# Altium PCB rev5.PcbDoc (part 3 of 4)
Units mil, origin at the board's own origin, x right, y up, seen from the top; angles counter-clockwise.
Board outline 1000 x 900 mil, 2 copper layers (Top Layer, Bottom Layer); 162 components, 16 nets, 1728 pads, 0 vias.
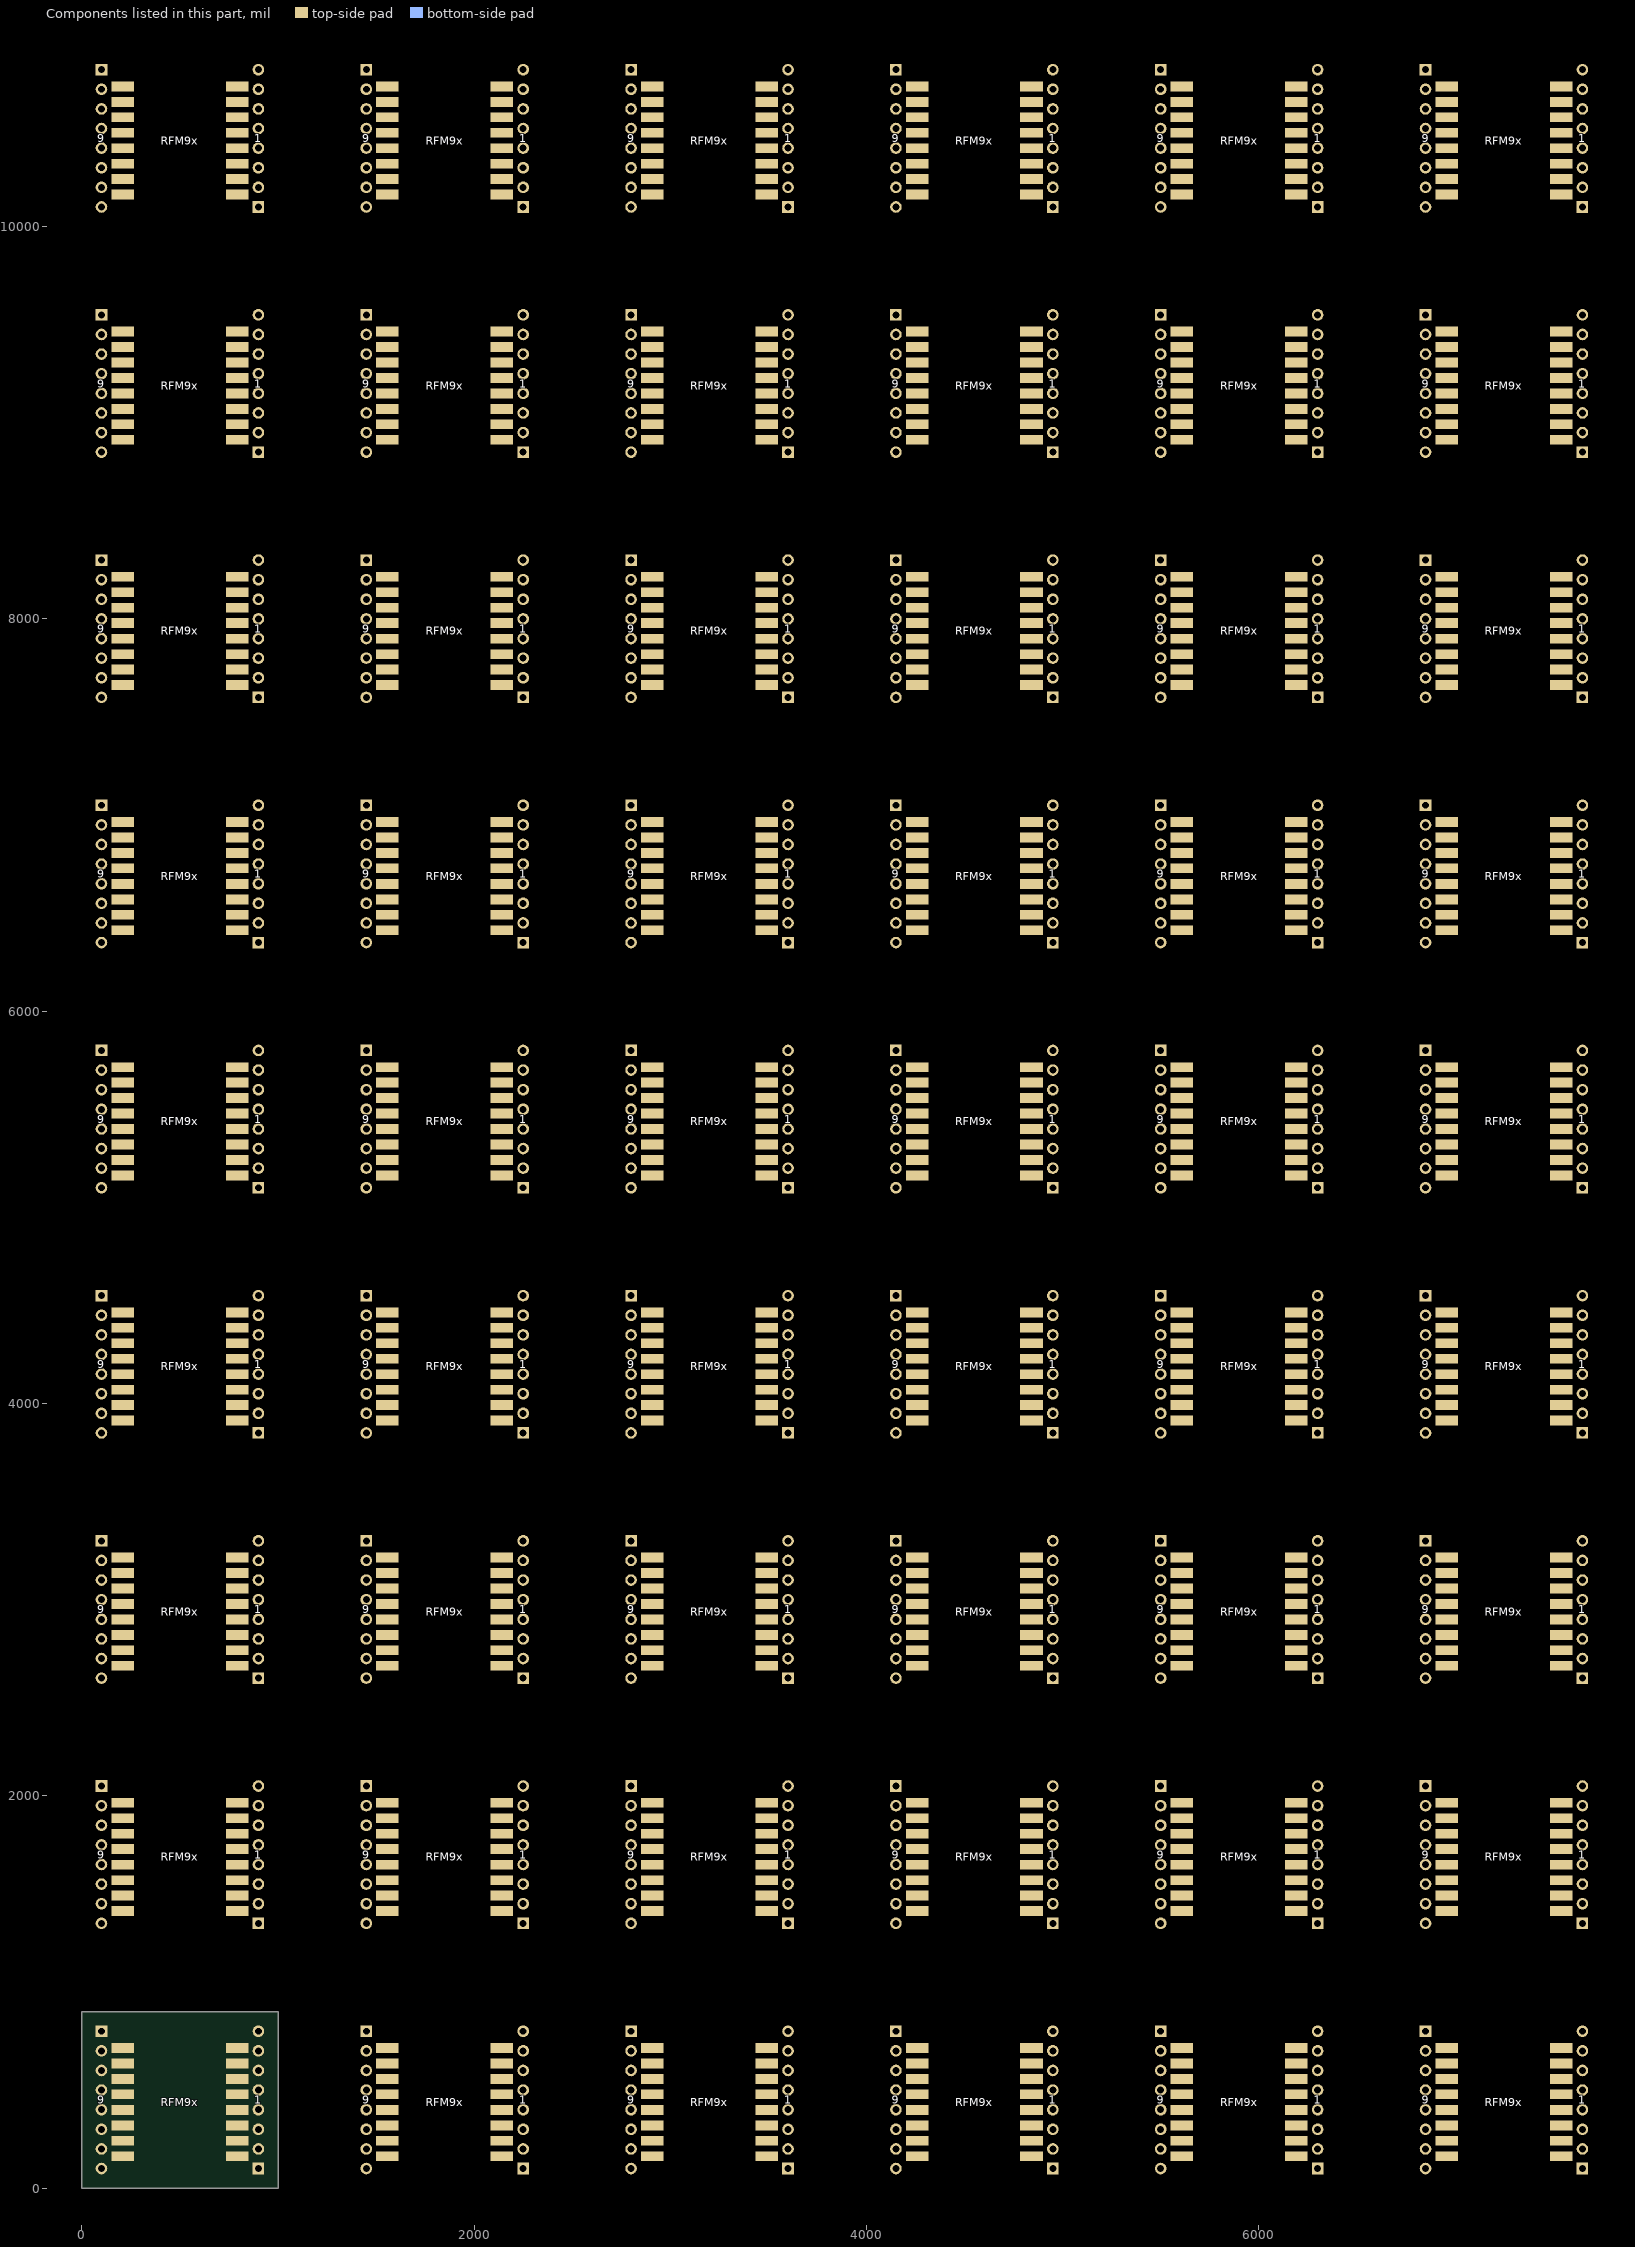
[diagram p3: the components of this part, seen from the top]

## Nets (pads, with @x,y where several pads share a name; then routed paths per layer and width w, separated by ;. In a path a pad name is that pad's centre, name@x,y a point inside that pad or via, vN(x,y) a via of type N, cw(c..) or ccw(c..) an arc to the next point about the centre after c; other vN are vias at no path point) (continued)
copper on no net: | length 111741.4
  Top Layer w20: 100,1350 163,1413 208,1413 ; 100,1450 142,1492 208,1492 ; 100,1550 144,1550 164,1570 208,1570 ; 100,1650 153,1650 154,1649 208,1649 ; 100,1750 121.63,1728.37 208,1728.37 ; 100,1850 142.89,1807.11 208,1807.11 ; 100,1950 120,1930 120,1909 176,1909 176,1885.85 208,1885.85 ; 100,2050 158,2050 208,2000 208,1964.59 ; 100,2600 163,2663 208,2663 ; 100,2700 142,2742 208,2742 ; 100,2800 144,2800 164,2820 208,2820 ; 100,2900 153,2900 154,2899 208,2899 ; 100,3000 121.63,2978.37 208,2978.37 ; 100,3100 142.89,3057.11 208,3057.11 ; 100,3200 120,3180 120,3159 176,3159 176,3135.85 208,3135.85 ; 100,3300 158,3300 208,3250 208,3214.59 ; 100,3850 163,3913 208,3913 ; 100,3950 142,3992 208,3992 ; 100,4050 144,4050 164,4070 208,4070 ; 100,4150 153,4150 154,4149 208,4149 ; 100,4250 121.63,4228.37 208,4228.37 ; 100,4350 142.89,4307.11 208,4307.11 ; 100,4450 120,4430 120,4409 176,4409 176,4385.85 208,4385.85 ; 100,4550 158,4550 208,4500 208,4464.59 ; 100,5100 163,5163 208,5163 ; 100,5200 142,5242 208,5242 ; 100,5300 144,5300 164,5320 208,5320 ; 100,5400 153,5400 154,5399 208,5399 ; 100,5500 121.63,5478.37 208,5478.37 ; 100,5600 142.89,5557.11 208,5557.11 ; 100,5700 120,5680 120,5659 176,5659 176,5635.85 208,5635.85 ; 100,5800 158,5800 208,5750 208,5714.59 ; 100,6350 163,6413 208,6413 ; 100,6450 142,6492 208,6492 ; 100,6550 144,6550 164,6570 208,6570 ; 100,6650 153,6650 154,6649 208,6649 ; 100,6750 121.63,6728.37 208,6728.37 ; 100,6850 142.89,6807.11 208,6807.11 ; 100,6950 120,6930 120,6909 176,6909 176,6885.85 208,6885.85 ; 100,7050 158,7050 208,7000 208,6964.59 ; 100,7600 163,7663 208,7663 ; 100,7700 142,7742 208,7742 ; 100,7800 144,7800 164,7820 208,7820 ; 100,7900 153,7900 154,7899 208,7899 ; 100,8000 121.63,7978.37 208,7978.37 ; 100,8100 142.89,8057.11 208,8057.11 ; 100,8200 120,8180 120,8159 176,8159 176,8135.85 208,8135.85 ; 100,8300 158,8300 208,8250 208,8214.59 ; 100,8850 163,8913 208,8913 ; 100,8950 142,8992 208,8992 ; 100,9050 144,9050 164,9070 208,9070 ; 100,9150 153,9150 154,9149 208,9149 ; 100,9250 121.63,9228.37 208,9228.37 ; 100,9350 142.89,9307.11 208,9307.11 ; 100,9450 120,9430 120,9409 176,9409 176,9385.85 208,9385.85 ; 100,9550 158,9550 208,9500 208,9464.59 ; 100,10100 163,10163 208,10163 ; 100,10200 142,10242 208,10242 ; 100,10300 144,10300 164,10320 208,10320 ; 100,10400 153,10400 154,10399 208,10399 ; 100,10500 121.63,10478.37 208,10478.37 ; 100,10600 142.89,10557.11 208,10557.11 ; 100,10700 120,10680 120,10659 176,10659 176,10635.85 208,10635.85 ; 100,10800 158,10800 208,10750 208,10714.59 ; 791.34,1413 814,1413 877,1350 900,1350 ; 791.34,1492 858,1492 900,1450 ; 791.34,1570 880,1570 900,1550 ; 791.34,1649 899,1649 900,1650 ; 791.34,1728.37 878.37,1728.37 900,1750 ; 791.34,1807.11 857.11,1807.11 900,1850 ; 791.34,1885.85 840,1885.85 840,1909 879,1909 879,1929 900,1950 ; 791.34,1964.59 791,1964.59 791,2000 841,2050 900,2050 ; 791.34,2663 814,2663 877,2600 900,2600 ; 791.34,2742 858,2742 900,2700 ; 791.34,2820 880,2820 900,2800 ; 791.34,2899 899,2899 900,2900 ; 791.34,2978.37 878.37,2978.37 900,3000 ; 791.34,3057.11 857.11,3057.11 900,3100 ; 791.34,3135.85 840,3135.85 840,3159 879,3159 879,3179 900,3200 ; 791.34,3214.59 791,3214.59 791,3250 841,3300 900,3300 ; 791.34,3913 814,3913 877,3850 900,3850 ; 791.34,3992 858,3992 900,3950 ; 791.34,4070 880,4070 900,4050 ; 791.34,4149 899,4149 900,4150 ; 791.34,4228.37 878.37,4228.37 900,4250 ; 791.34,4307.11 857.11,4307.11 900,4350 ; 791.34,4385.85 840,4385.85 840,4409 879,4409 879,4429 900,4450 ; 791.34,4464.59 791,4464.59 791,4500 841,4550 900,4550 ; 791.34,5163 814,5163 877,5100 900,5100 ; 791.34,5242 858,5242 900,5200 ; 791.34,5320 880,5320 900,5300 ; 791.34,5399 899,5399 900,5400 ; 791.34,5478.37 878.37,5478.37 900,5500 ; 791.34,5557.11 857.11,5557.11 900,5600 ; 791.34,5635.85 840,5635.85 840,5659 879,5659 879,5679 900,5700 ; 791.34,5714.59 791,5714.59 791,5750 841,5800 900,5800 ; 791.34,6413 814,6413 877,6350 900,6350 ; 791.34,6492 858,6492 900,6450 ; 791.34,6570 880,6570 900,6550 ; 791.34,6649 899,6649 900,6650 ; 791.34,6728.37 878.37,6728.37 900,6750 ; 791.34,6807.11 857.11,6807.11 900,6850 ; 791.34,6885.85 840,6885.85 840,6909 879,6909 879,6929 900,6950 ; 791.34,6964.59 791,6964.59 791,7000 841,7050 900,7050 ; 791.34,7663 814,7663 877,7600 900,7600 ; 791.34,7742 858,7742 900,7700 ; 791.34,7820 880,7820 900,7800 ; 791.34,7899 899,7899 900,7900 ; 791.34,7978.37 878.37,7978.37 900,8000 ; 791.34,8057.11 857.11,8057.11 900,8100 ; 791.34,8135.85 840,8135.85 840,8159 879,8159 879,8179 900,8200 ; 791.34,8214.59 791,8214.59 791,8250 841,8300 900,8300 ; 791.34,8913 814,8913 877,8850 900,8850 ; 791.34,8992 858,8992 900,8950 ; 791.34,9070 880,9070 900,9050 ; 791.34,9149 899,9149 900,9150 ; 791.34,9228.37 878.37,9228.37 900,9250 ; 791.34,9307.11 857.11,9307.11 900,9350 ; 791.34,9385.85 840,9385.85 840,9409 879,9409 879,9429 900,9450 ; 791.34,9464.59 791,9464.59 791,9500 841,9550 900,9550 ; 791.34,10163 814,10163 877,10100 900,10100 ; 791.34,10242 858,10242 900,10200 ; 791.34,10320 880,10320 900,10300 ; 791.34,10399 899,10399 900,10400 ; 791.34,10478.37 878.37,10478.37 900,10500 ; 791.34,10557.11 857.11,10557.11 900,10600 ; 791.34,10635.85 840,10635.85 840,10659 879,10659 879,10679 900,10700 ; 791.34,10714.59 791,10714.59 791,10750 841,10800 900,10800 ; 1450,100 1513,163 1558,163 ; 1450,200 1492,242 1558,242 ; 1450,300 1494,300 1514,320 1558,320 ; 1450,400 1503,400 1504,399 1558,399 ; 1450,500 1471.63,478.37 1558,478.37 ; 1450,600 1492.89,557.11 1558,557.11 ; 1450,700 1470,680 1470,659 1526,659 1526,635.85 1558,635.85 ; 1450,800 1508,800 1558,750 1558,714.59 ; 1450,1350 1513,1413 1558,1413 ; 1450,1450 1492,1492 1558,1492 ; 1450,1550 1494,1550 1514,1570 1558,1570 ; 1450,1650 1503,1650 1504,1649 1558,1649 ; 1450,1750 1471.63,1728.37 1558,1728.37 ; 1450,1850 1492.89,1807.11 1558,1807.11 ; 1450,1950 1470,1930 1470,1909 1526,1909 1526,1885.85 1558,1885.85 ; 1450,2050 1508,2050 1558,2000 1558,1964.59 ; 1450,2600 1513,2663 1558,2663 ; 1450,2700 1492,2742 1558,2742 ; 1450,2800 1494,2800 1514,2820 1558,2820 ; 1450,2900 1503,2900 1504,2899 1558,2899 ; 1450,3000 1471.63,2978.37 1558,2978.37 ; 1450,3100 1492.89,3057.11 1558,3057.11 ; 1450,3200 1470,3180 1470,3159 1526,3159 1526,3135.85 1558,3135.85 ; 1450,3300 1508,3300 1558,3250 1558,3214.59 ; 1450,3850 1513,3913 1558,3913 ; 1450,3950 1492,3992 1558,3992 ; 1450,4050 1494,4050 1514,4070 1558,4070 ; 1450,4150 1503,4150 1504,4149 1558,4149 ; 1450,4250 1471.63,4228.37 1558,4228.37 ; 1450,4350 1492.89,4307.11 1558,4307.11 ; 1450,4450 1470,4430 1470,4409 1526,4409 1526,4385.85 1558,4385.85 ; 1450,4550 1508,4550 1558,4500 1558,4464.59 ; 1450,5100 1513,5163 1558,5163 ; 1450,5200 1492,5242 1558,5242 ; 1450,5300 1494,5300 1514,5320 1558,5320 ; 1450,5400 1503,5400 1504,5399 1558,5399 ; 1450,5500 1471.63,5478.37 1558,5478.37 ; 1450,5600 1492.89,5557.11 1558,5557.11 ; 1450,5700 1470,5680 1470,5659 1526,5659 1526,5635.85 1558,5635.85 ; 1450,5800 1508,5800 1558,5750 1558,5714.59 ; 1450,6350 1513,6413 1558,6413 ; 1450,6450 1492,6492 1558,6492 ; 1450,6550 1494,6550 1514,6570 1558,6570 ; 1450,6650 1503,6650 1504,6649 1558,6649 ; 1450,6750 1471.63,6728.37 1558,6728.37 ; 1450,6850 1492.89,6807.11 1558,6807.11 ; 1450,6950 1470,6930 1470,6909 1526,6909 1526,6885.85 1558,6885.85 ; 1450,7050 1508,7050 1558,7000 1558,6964.59 ; 1450,7600 1513,7663 1558,7663 ; 1450,7700 1492,7742 1558,7742 ; 1450,7800 1494,7800 1514,7820 1558,7820 ; 1450,7900 1503,7900 1504,7899 1558,7899 ; 1450,8000 1471.63,7978.37 1558,7978.37 ; 1450,8100 1492.89,8057.11 1558,8057.11 ; 1450,8200 1470,8180 1470,8159 1526,8159 1526,8135.85 1558,8135.85 ; 1450,8300 1508,8300 1558,8250 1558,8214.59 ; 1450,8850 1513,8913 1558,8913 ; 1450,8950 1492,8992 1558,8992 ; 1450,9050 1494,9050 1514,9070 1558,9070 ; 1450,9150 1503,9150 1504,9149 1558,9149 ; 1450,9250 1471.63,9228.37 1558,9228.37 ; 1450,9350 1492.89,9307.11 1558,9307.11 ; 1450,9450 1470,9430 1470,9409 1526,9409 1526,9385.85 1558,9385.85 ; 1450,9550 1508,9550 1558,9500 1558,9464.59 ; 1450,10100 1513,10163 1558,10163 ; 1450,10200 1492,10242 1558,10242 ; 1450,10300 1494,10300 1514,10320 1558,10320 ; 1450,10400 1503,10400 1504,10399 1558,10399 ; 1450,10500 1471.63,10478.37 1558,10478.37 ; 1450,10600 1492.89,10557.11 1558,10557.11 ; 1450,10700 1470,10680 1470,10659 1526,10659 1526,10635.85 1558,10635.85 ; 1450,10800 1508,10800 1558,10750 1558,10714.59 ; 2141.34,163 2164,163 2227,100 2250,100 ; 2141.34,242 2208,242 2250,200 ; 2141.34,320 2230,320 2250,300 ; 2141.34,399 2249,399 2250,400 ; 2141.34,478.37 2228.37,478.37 2250,500 ; 2141.34,557.11 2207.11,557.11 2250,600 ; 2141.34,635.85 2190,635.85 2190,659 2229,659 2229,679 2250,700 ; 2141.34,714.59 2141,714.59 2141,750 2191,800 2250,800 ; 2141.34,1413 2164,1413 2227,1350 2250,1350 ; 2141.34,1492 2208,1492 2250,1450 ; 2141.34,1570 2230,1570 2250,1550 ; 2141.34,1649 2249,1649 2250,1650 ; 2141.34,1728.37 2228.37,1728.37 2250,1750 ; 2141.34,1807.11 2207.11,1807.11 2250,1850 ; 2141.34,1885.85 2190,1885.85 2190,1909 2229,1909 2229,1929 2250,1950 ; 2141.34,1964.59 2141,1964.59 2141,2000 2191,2050 2250,2050 ; 2141.34,2663 2164,2663 2227,2600 2250,2600 ; 2141.34,2742 2208,2742 2250,2700 ; 2141.34,2820 2230,2820 2250,2800 ; 2141.34,2899 2249,2899 2250,2900 ; 2141.34,2978.37 2228.37,2978.37 2250,3000 ; 2141.34,3057.11 2207.11,3057.11 2250,3100 ; 2141.34,3135.85 2190,3135.85 2190,3159 2229,3159 2229,3179 2250,3200 ; 2141.34,3214.59 2141,3214.59 2141,3250 2191,3300 2250,3300 ; 2141.34,3913 2164,3913 2227,3850 2250,3850 ; 2141.34,3992 2208,3992 2250,3950 ; 2141.34,4070 2230,4070 2250,4050 ; 2141.34,4149 2249,4149 2250,4150 ; 2141.34,4228.37 2228.37,4228.37 2250,4250 ; 2141.34,4307.11 2207.11,4307.11 2250,4350 ; 2141.34,4385.85 2190,4385.85 2190,4409 2229,4409 2229,4429 2250,4450 ; 2141.34,4464.59 2141,4464.59 2141,4500 2191,4550 2250,4550 ; 2141.34,5163 2164,5163 2227,5100 2250,5100 ; 2141.34,5242 2208,5242 2250,5200 ; 2141.34,5320 2230,5320 2250,5300 ; 2141.34,5399 2249,5399 2250,5400 ; 2141.34,5478.37 2228.37,5478.37 2250,5500 ; 2141.34,5557.11 2207.11,5557.11 2250,5600 ; 2141.34,5635.85 2190,5635.85 2190,5659 2229,5659 2229,5679 2250,5700 ; 2141.34,5714.59 2141,5714.59 2141,5750 2191,5800 2250,5800 ; 2141.34,6413 2164,6413 2227,6350 2250,6350 ; 2141.34,6492 2208,6492 2250,6450 ; 2141.34,6570 2230,6570 2250,6550 ; 2141.34,6649 2249,6649 2250,6650 ; 2141.34,6728.37 2228.37,6728.37 2250,6750 ; 2141.34,6807.11 2207.11,6807.11 2250,6850 ; 2141.34,6885.85 2190,6885.85 2190,6909 2229,6909 2229,6929 2250,6950 ; 2141.34,6964.59 2141,6964.59 2141,7000 2191,7050 2250,7050 ; 2141.34,7663 2164,7663 2227,7600 2250,7600 ; 2141.34,7742 2208,7742 2250,7700 ; 2141.34,7820 2230,7820 2250,7800 ; 2141.34,7899 2249,7899 2250,7900 ; 2141.34,7978.37 2228.37,7978.37 2250,8000 ; 2141.34,8057.11 2207.11,8057.11 2250,8100 ; 2141.34,8135.85 2190,8135.85 2190,8159 2229,8159 2229,8179 2250,8200 ; 2141.34,8214.59 2141,8214.59 2141,8250 2191,8300 2250,8300 ; 2141.34,8913 2164,8913 2227,8850 2250,8850 ; 2141.34,8992 2208,8992 2250,8950 ; 2141.34,9070 2230,9070 2250,9050 ; 2141.34,9149 2249,9149 2250,9150 ; 2141.34,9228.37 2228.37,9228.37 2250,9250 ; 2141.34,9307.11 2207.11,9307.11 2250,9350 ; 2141.34,9385.85 2190,9385.85 2190,9409 2229,9409 2229,9429 2250,9450 ; 2141.34,9464.59 2141,9464.59 2141,9500 2191,9550 2250,9550 ; 2141.34,10163 2164,10163 2227,10100 2250,10100 ; 2141.34,10242 2208,10242 2250,10200 ; 2141.34,10320 2230,10320 2250,10300 ; 2141.34,10399 2249,10399 2250,10400 ; 2141.34,10478.37 2228.37,10478.37 2250,10500 ; 2141.34,10557.11 2207.11,10557.11 2250,10600 ; 2141.34,10635.85 2190,10635.85 2190,10659 2229,10659 2229,10679 2250,10700 ; 2141.34,10714.59 2141,10714.59 2141,10750 2191,10800 2250,10800 ; 2800,100 2863,163 2908,163 ; 2800,200 2842,242 2908,242 ; 2800,300 2844,300 2864,320 2908,320 ; 2800,400 2853,400 2854,399 2908,399 ; 2800,500 2821.63,478.37 2908,478.37 ; 2800,600 2842.89,557.11 2908,557.11 ; 2800,700 2820,680 2820,659 2876,659 2876,635.85 2908,635.85 ; 2800,800 2858,800 2908,750 2908,714.59 ; 2800,1350 2863,1413 2908,1413 ; 2800,1450 2842,1492 2908,1492 ; 2800,1550 2844,1550 2864,1570 2908,1570 ; 2800,1650 2853,1650 2854,1649 2908,1649 ; 2800,1750 2821.63,1728.37 2908,1728.37 ; 2800,1850 2842.89,1807.11 2908,1807.11 ; 2800,1950 2820,1930 2820,1909 2876,1909 2876,1885.85 2908,1885.85 ; 2800,2050 2858,2050 2908,2000 2908,1964.59 ; 2800,2600 2863,2663 2908,2663 ; 2800,2700 2842,2742 2908,2742 ; 2800,2800 2844,2800 2864,2820 2908,2820 ; 2800,2900 2853,2900 2854,2899 2908,2899 ; 2800,3000 2821.63,2978.37 2908,2978.37 ; 2800,3100 2842.89,3057.11 2908,3057.11 ; 2800,3200 2820,3180 2820,3159 2876,3159 2876,3135.85 2908,3135.85 ; 2800,3300 2858,3300 2908,3250 2908,3214.59 ; 2800,3850 2863,3913 2908,3913 ; 2800,3950 2842,3992 2908,3992 ; 2800,4050 2844,4050 2864,4070 2908,4070 ; 2800,4150 2853,4150 2854,4149 2908,4149 ; 2800,4250 2821.63,4228.37 2908,4228.37 ; 2800,4350 2842.89,4307.11 2908,4307.11 ; 2800,4450 2820,4430 2820,4409 2876,4409 2876,4385.85 2908,4385.85 ; 2800,4550 2858,4550 2908,4500 2908,4464.59 ; 2800,5100 2863,5163 2908,5163 ; 2800,5200 2842,5242 2908,5242 ; 2800,5300 2844,5300 2864,5320 2908,5320 ; 2800,5400 2853,5400 2854,5399 2908,5399 ; 2800,5500 2821.63,5478.37 2908,5478.37 ; 2800,5600 2842.89,5557.11 2908,5557.11 ; 2800,5700 2820,5680 2820,5659 2876,5659 2876,5635.85 2908,5635.85 ; 2800,5800 2858,5800 2908,5750 2908,5714.59 ; 2800,6350 2863,6413 2908,6413 ; 2800,6450 2842,6492 2908,6492 ; 2800,6550 2844,6550 2864,6570 2908,6570 ; 2800,6650 2853,6650 2854,6649 2908,6649 ; 2800,6750 2821.63,6728.37 2908,6728.37 ; 2800,6850 2842.89,6807.11 2908,6807.11 ; 2800,6950 2820,6930 2820,6909 2876,6909 2876,6885.85 2908,6885.85 ; 2800,7050 2858,7050 2908,7000 2908,6964.59 ; 2800,7600 2863,7663 2908,7663 ; 2800,7700 2842,7742 2908,7742 ; 2800,7800 2844,7800 2864,7820 2908,7820 ; 2800,7900 2853,7900 2854,7899 2908,7899 ; 2800,8000 2821.63,7978.37 2908,7978.37 ; 2800,8100 2842.89,8057.11 2908,8057.11 ; 2800,8200 2820,8180 2820,8159 2876,8159 2876,8135.85 2908,8135.85 ; 2800,8300 2858,8300 2908,8250 2908,8214.59 ; 2800,8850 2863,8913 2908,8913 ; 2800,8950 2842,8992 2908,8992 ; 2800,9050 2844,9050 2864,9070 2908,9070 ; 2800,9150 2853,9150 2854,9149 2908,9149 ; 2800,9250 2821.63,9228.37 2908,9228.37 ; 2800,9350 2842.89,9307.11 2908,9307.11 ; 2800,9450 2820,9430 2820,9409 2876,9409 2876,9385.85 2908,9385.85 ; 2800,9550 2858,9550 2908,9500 2908,9464.59 ; 2800,10100 2863,10163 2908,10163 ; 2800,10200 2842,10242 2908,10242 ; 2800,10300 2844,10300 2864,10320 2908,10320 ; 2800,10400 2853,10400 2854,10399 2908,10399 ; 2800,10500 2821.63,10478.37 2908,10478.37 ; 2800,10600 2842.89,10557.11 2908,10557.11 ; 2800,10700 2820,10680 2820,10659 2876,10659 2876,10635.85 2908,10635.85 ; 2800,10800 2858,10800 2908,10750 2908,10714.59 ; 3491.34,163 3514,163 3577,100 3600,100 ; 3491.34,242 3558,242 3600,200 ; 3491.34,320 3580,320 3600,300 ; 3491.34,399 3599,399 3600,400 ; 3491.34,478.37 3578.37,478.37 3600,500 ; 3491.34,557.11 3557.11,557.11 3600,600 ; 3491.34,635.85 3540,635.85 3540,659 3579,659 3579,679 3600,700 ; 3491.34,714.59 3491,714.59 3491,750 3541,800 3600,800 ; 3491.34,1413 3514,1413 3577,1350 3600,1350 ; 3491.34,1492 3558,1492 3600,1450 ; 3491.34,1570 3580,1570 3600,1550 ; 3491.34,1649 3599,1649 3600,1650 ; 3491.34,1728.37 3578.37,1728.37 3600,1750 ; 3491.34,1807.11 3557.11,1807.11 3600,1850 ; 3491.34,1885.85 3540,1885.85 3540,1909 3579,1909 3579,1929 3600,1950 ; 3491.34,1964.59 3491,1964.59 3491,2000 3541,2050 3600,2050 ; 3491.34,2663 3514,2663 3577,2600 3600,2600 ; 3491.34,2742 3558,2742 3600,2700 ; 3491.34,2820 3580,2820 3600,2800 ; 3491.34,2899 3599,2899 3600,2900 ; 3491.34,2978.37 3578.37,2978.37 3600,3000 ; 3491.34,3057.11 3557.11,3057.11 3600,3100 ; 3491.34,3135.85 3540,3135.85 3540,3159 3579,3159 3579,3179 3600,3200 ; 3491.34,3214.59 3491,3214.59 3491,3250 3541,3300 3600,3300 ; 3491.34,3913 3514,3913 3577,3850 3600,3850 ; 3491.34,3992 3558,3992 3600,3950 ; 3491.34,4070 3580,4070 3600,4050 ; 3491.34,4149 3599,4149 3600,4150 ; 3491.34,4228.37 3578.37,4228.37 3600,4250 ; 3491.34,4307.11 3557.11,4307.11 3600,4350 ; 3491.34,4385.85 3540,4385.85 3540,4409 3579,4409 3579,4429 3600,4450 ; 3491.34,4464.59 3491,4464.59 3491,4500 3541,4550 3600,4550 ; 3491.34,5163 3514,5163 3577,5100 3600,5100 ; 3491.34,5242 3558,5242 3600,5200 ; 3491.34,5320 3580,5320 3600,5300 ; 3491.34,5399 3599,5399 3600,5400 ; 3491.34,5478.37 3578.37,5478.37 3600,5500 ; 3491.34,5557.11 3557.11,5557.11 3600,5600 ; 3491.34,5635.85 3540,5635.85 3540,5659 3579,5659 3579,5679 3600,5700 ; 3491.34,5714.59 3491,5714.59 3491,5750 3541,5800 3600,5800 ; 3491.34,6413 3514,6413 3577,6350 3600,6350 ; 3491.34,6492 3558,6492 3600,6450 ; 3491.34,6570 3580,6570 3600,6550 ; 3491.34,6649 3599,6649 3600,6650 ; 3491.34,6728.37 3578.37,6728.37 3600,6750 ; 3491.34,6807.11 3557.11,6807.11 3600,6850 ; 3491.34,6885.85 3540,6885.85 3540,6909 3579,6909 3579,6929 3600,6950 ; 3491.34,6964.59 3491,6964.59 3491,7000 3541,7050 3600,7050 ; 3491.34,7663 3514,7663 3577,7600 3600,7600 ; 3491.34,7742 3558,7742 3600,7700 ; 3491.34,7820 3580,7820 3600,7800 ; 3491.34,7899 3599,7899 3600,7900 ; 3491.34,7978.37 3578.37,7978.37 3600,8000 ; 3491.34,8057.11 3557.11,8057.11 3600,8100 ; 3491.34,8135.85 3540,8135.85 3540,8159 3579,8159 3579,8179 3600,8200 ; 3491.34,8214.59 3491,8214.59 3491,8250 3541,8300 3600,8300 ; 3491.34,8913 3514,8913 3577,8850 3600,8850 ; 3491.34,8992 3558,8992 3600,8950 ; 3491.34,9070 3580,9070 3600,9050 ; 3491.34,9149 3599,9149 3600,9150 ; 3491.34,9228.37 3578.37,9228.37 3600,9250 ; 3491.34,9307.11 3557.11,9307.11 3600,9350 ; 3491.34,9385.85 3540,9385.85 3540,9409 3579,9409 3579,9429 3600,9450 ; 3491.34,9464.59 3491,9464.59 3491,9500 3541,9550 3600,9550 ; 3491.34,10163 3514,10163 3577,10100 3600,10100 ; 3491.34,10242 3558,10242 3600,10200 ; 3491.34,10320 3580,10320 3600,10300 ; 3491.34,10399 3599,10399 3600,10400 ; 3491.34,10478.37 3578.37,10478.37 3600,10500 ; 3491.34,10557.11 3557.11,10557.11 3600,10600 ; 3491.34,10635.85 3540,10635.85 3540,10659 3579,10659 3579,10679 3600,10700 ; 3491.34,10714.59 3491,10714.59 3491,10750 3541,10800 3600,10800 ; 4150,100 4213,163 4258,163 ; 4150,200 4192,242 4258,242 ; 4150,300 4194,300 4214,320 4258,320 ; 4150,400 4203,400 4204,399 4258,399 ; 4150,500 4171.63,478.37 4258,478.37 ; 4150,600 4192.89,557.11 4258,557.11 ; 4150,700 4170,680 4170,659 4226,659 4226,635.85 4258,635.85 ; 4150,800 4208,800 4258,750 4258,714.59 ; 4150,1350 4213,1413 4258,1413 ; 4150,1450 4192,1492 4258,1492 ; 4150,1550 4194,1550 4214,1570 4258,1570 ; 4150,1650 4203,1650 4204,1649 4258,1649 ; 4150,1750 4171.63,1728.37 4258,1728.37 ; 4150,1850 4192.89,1807.11 4258,1807.11 ; 4150,1950 4170,1930 4170,1909 4226,1909 4226,1885.85 4258,1885.85 ; 4150,2050 4208,2050 4258,2000 4258,1964.59 ; 4150,2600 4213,2663 4258,2663 ; 4150,2700 4192,2742 4258,2742 ; 4150,2800 4194,2800 4214,2820 4258,2820 ; 4150,2900 4203,2900 4204,2899 4258,2899 ; 4150,3000 4171.63,2978.37 4258,2978.37 ; 4150,3100 4192.89,3057.11 4258,3057.11 ; 4150,3200 4170,3180 4170,3159 4226,3159 4226,3135.85 4258,3135.85 ; 4150,3300 4208,3300 4258,3250 4258,3214.59 ; 4150,3850 4213,3913 4258,3913 ; 4150,3950 4192,3992 4258,3992 ; 4150,4050 4194,4050 4214,4070 4258,4070 ; 4150,4150 4203,4150 4204,4149 4258,4149 ; 4150,4250 4171.63,4228.37 4258,4228.37 ; 4150,4350 4192.89,4307.11 4258,4307.11 ; 4150,4450 4170,4430 4170,4409 4226,4409 4226,4385.85 4258,4385.85 ; 4150,4550 4208,4550 4258,4500 4258,4464.59 ; 4150,5100 4213,5163 4258,5163 ; 4150,5200 4192,5242 4258,5242 ; 4150,5300 4194,5300 4214,5320 4258,5320 ; 4150,5400 4203,5400 4204,5399 4258,5399 ; 4150,5500 4171.63,5478.37 4258,5478.37 ; 4150,5600 4192.89,5557.11 4258,5557.11 ; 4150,5700 4170,5680 4170,5659 4226,5659 4226,5635.85 4258,5635.85 ; 4150,5800 4208,5800 4258,5750 4258,5714.59 ; 4150,6350 4213,6413 4258,6413 ; 4150,6450 4192,6492 4258,6492 ; 4150,6550 4194,6550 4214,6570 4258,6570 ; 4150,6650 4203,6650 4204,6649 4258,6649 ; 4150,6750 4171.63,6728.37 4258,6728.37 ; 4150,6850 4192.89,6807.11 4258,6807.11 ; 4150,6950 4170,6930 4170,6909 4226,6909 4226,6885.85 4258,6885.85 ; 4150,7050 4208,7050 4258,7000 4258,6964.59 ; 4150,7600 4213,7663 4258,7663 ; 4150,7700 4192,7742 4258,7742 ; 4150,7800 4194,7800 4214,7820 4258,7820 ; 4150,7900 4203,7900 4204,7899 4258,7899 ; 4150,8000 4171.63,7978.37 4258,7978.37 ; 4150,8100 4192.89,8057.11 4258,8057.11 ; 4150,8200 4170,8180 4170,8159 4226,8159 4226,8135.85 4258,8135.85 ; 4150,8300 4208,8300 4258,8250 4258,8214.59 ; 4150,8850 4213,8913 4258,8913 ; 4150,8950 4192,8992 4258,8992 ; 4150,9050 4194,9050 4214,9070 4258,9070 ; 4150,9150 4203,9150 4204,9149 4258,9149 ; 4150,9250 4171.63,9228.37 4258,9228.37 ; 4150,9350 4192.89,9307.11 4258,9307.11 ; 4150,9450 4170,9430 4170,9409 4226,9409 4226,9385.85 4258,9385.85 ; 4150,9550 4208,9550 4258,9500 4258,9464.59 ; 4150,10100 4213,10163 4258,10163 ; 4150,10200 4192,10242 4258,10242 ; 4150,10300 4194,10300 4214,10320 4258,10320 ; 4150,10400 4203,10400 4204,10399 4258,10399 ; 4150,10500 4171.63,10478.37 4258,10478.37 ; 4150,10600 4192.89,10557.11 4258,10557.11 ; 4150,10700 4170,10680 4170,10659 4226,10659 4226,10635.85 4258,10635.85 ; 4150,10800 4208,10800 4258,10750 4258,10714.59 ; 4841.34,163 4864,163 4927,100 4950,100 ; 4841.34,242 4908,242 4950,200 ; 4841.34,320 4930,320 4950,300 ; 4841.34,399 4949,399 4950,400 ; 4841.34,478.37 4928.37,478.37 4950,500 ; 4841.34,557.11 4907.11,557.11 4950,600 ; 4841.34,635.85 4890,635.85 4890,659 4929,659 4929,679 4950,700 ; 4841.34,714.59 4841,714.59 4841,750 4891,800 4950,800 ; 4841.34,1413 4864,1413 4927,1350 4950,1350 ; 4841.34,1492 4908,1492 4950,1450 ; 4841.34,1570 4930,1570 4950,1550 ; 4841.34,1649 4949,1649 4950,1650 ; 4841.34,1728.37 4928.37,1728.37 4950,1750 ; 4841.34,1807.11 4907.11,1807.11 4950,1850 ; 4841.34,1885.85 4890,1885.85 4890,1909 4929,1909 4929,1929 4950,1950 ; 4841.34,1964.59 4841,1964.59 4841,2000 4891,2050 4950,2050 ; 4841.34,2663 4864,2663 4927,2600 4950,2600 ; 4841.34,2742 4908,2742 4950,2700 ; 4841.34,2820 4930,2820 4950,2800 ; 4841.34,2899 4949,2899 4950,2900 ; 4841.34,2978.37 4928.37,2978.37 4950,3000 ; 4841.34,3057.11 4907.11,3057.11 4950,3100 ; 4841.34,3135.85 4890,3135.85 4890,3159 4929,3159 4929,3179 4950,3200 ; 4841.34,3214.59 4841,3214.59 4841,3250 4891,3300 4950,3300 ; 4841.34,3913 4864,3913 4927,3850 4950,3850 ; 4841.34,3992 4908,3992 4950,3950 ; 4841.34,4070 4930,4070 4950,4050 ; 4841.34,4149 4949,4149 4950,4150 ; 4841.34,4228.37 4928.37,4228.37 4950,4250 ; 4841.34,4307.11 4907.11,4307.11 4950,4350 ; 4841.34,4385.85 4890,4385.85 4890,4409 4929,4409 4929,4429 4950,4450 ; 4841.34,4464.59 4841,4464.59 4841,4500 4891,4550 4950,4550 ; 4841.34,5163 4864,5163 4927,5100 4950,5100 ; 4841.34,5242 4908,5242 4950,5200 ; 4841.34,5320 4930,5320 4950,5300 ; 4841.34,5399 4949,5399 4950,5400 ; 4841.34,5478.37 4928.37,5478.37 4950,5500 ; 4841.34,5557.11 4907.11,5557.11 4950,5600 ; 4841.34,5635.85 4890,5635.85 4890,5659 4929,5659 4929,5679 4950,5700 ; 4841.34,5714.59 4841,5714.59 4841,5750 4891,5800 4950,5800 ; 4841.34,6413 4864,6413 4927,6350 4950,6350 ; 4841.34,6492 4908,6492 4950,6450 ; 4841.34,6570 4930,6570 4950,6550 ; 4841.34,6649 4949,6649 4950,6650 ; 4841.34,6728.37 4928.37,6728.37 4950,6750 ; 4841.34,6807.11 4907.11,6807.11 4950,6850 ; 4841.34,6885.85 4890,6885.85 4890,6909 4929,6909 4929,6929 4950,6950 ; 4841.34,6964.59 4841,6964.59 4841,7000 4891,7050 4950,7050 ; 4841.34,7663 4864,7663 4927,7600 4950,7600 ; 4841.34,7742 4908,7742 4950,7700 ; 4841.34,7820 4930,7820 4950,7800 ; 4841.34,7899 4949,7899 4950,7900 ; 4841.34,7978.37 4928.37,7978.37 4950,8000 ; 4841.34,8057.11 4907.11,8057.11 4950,8100 ; 4841.34,8135.85 4890,8135.85 4890,8159 4929,8159 4929,8179 4950,8200 ; 4841.34,8214.59 4841,8214.59 4841,8250 4891,8300 4950,8300 ; 4841.34,8913 4864,8913 4927,8850 4950,8850 ; 4841.34,8992 4908,8992 4950,8950 ; 4841.34,9070 4930,9070 4950,9050 ; 4841.34,9149 4949,9149 4950,9150 ; 4841.34,9228.37 4928.37,9228.37 4950,9250 ; 4841.34,9307.11 4907.11,9307.11 4950,9350 ; 4841.34,9385.85 4890,9385.85 4890,9409 4929,9409 4929,9429 4950,9450 ; 4841.34,9464.59 4841,9464.59 4841,9500 4891,9550 4950,9550 ; 4841.34,10163 4864,10163 4927,10100 4950,10100 ; 4841.34,10242 4908,10242 4950,10200 ; 4841.34,10320 4930,10320 4950,10300 ; 4841.34,10399 4949,10399 4950,10400 ; 4841.34,10478.37 4928.37,10478.37 4950,10500 ; 4841.34,10557.11 4907.11,10557.11 4950,10600 ; 4841.34,10635.85 4890,10635.85 4890,10659 4929,10659 4929,10679 4950,10700 ; 4841.34,10714.59 4841,10714.59 4841,10750 4891,10800 4950,10800 ; 5500,100 5563,163 5608,163 ; 5500,200 5542,242 5608,242 ; 5500,300 5544,300 5564,320 5608,320 ; 5500,400 5553,400 5554,399 5608,399 ; 5500,500 5521.63,478.37 5608,478.37 ; 5500,600 5542.89,557.11 5608,557.11 ; 5500,700 5520,680 5520,659 5576,659 5576,635.85 5608,635.85 ; 5500,800 5558,800 5608,750 5608,714.59 ; 5500,1350 5563,1413 5608,1413 ; 5500,1450 5542,1492 5608,1492 ; 5500,1550 5544,1550 5564,1570 5608,1570 ; 5500,1650 5553,1650 5554,1649 5608,1649 ; 5500,1750 5521.63,1728.37 5608,1728.37 ; 5500,1850 5542.89,1807.11 5608,1807.11 ; 5500,1950 5520,1930 5520,1909 5576,1909 5576,1885.85 5608,1885.85 ; 5500,2050 5558,2050 5608,2000 5608,1964.59 ; 5500,2600 5563,2663 5608,2663 ; 5500,2700 5542,2742 5608,2742 ; 5500,2800 5544,2800 5564,2820 5608,2820 ; 5500,2900 5553,2900 5554,2899 5608,2899 ; 5500,3000 5521.63,2978.37 5608,2978.37 ; 5500,3100 5542.89,3057.11 5608,3057.11 ; 5500,3200 5520,3180 5520,3159 5576,3159 5576,3135.85 5608,3135.85 ; 5500,3300 5558,3300 5608,3250 5608,3214.59 ; 5500,3850 5563,3913 5608,3913 ; 5500,3950 5542,3992 5608,3992 ; 5500,4050 5544,4050 5564,4070 5608,4070 ; 5500,4150 5553,4150 5554,4149 5608,4149 ; 5500,4250 5521.63,4228.37 5608,4228.37 ; 5500,4350 5542.89,4307.11 5608,4307.11 ; 5500,4450 5520,4430 5520,4409 5576,4409 5576,4385.85 5608,4385.85 ; 5500,4550 5558,4550 5608,4500 5608,4464.59 ; 5500,5100 5563,5163 5608,5163 ; 5500,5200 5542,5242 5608,5242 ; 5500,5300 5544,5300 5564,5320 5608,5320 ; 5500,5400 5553,5400 5554,5399 5608,5399 ; 5500,5500 5521.63,5478.37 5608,5478.37 ; 5500,5600 5542.89,5557.11 5608,5557.11 ; 5500,5700 5520,5680 5520,5659 5576,5659 5576,5635.85 5608,5635.85 ; 5500,5800 5558,5800 5608,5750 5608,5714.59 ; 5500,6350 5563,6413 5608,6413 ; 5500,6450 5542,6492 5608,6492 ; 5500,6550 5544,6550 5564,6570 5608,6570 ; 5500,6650 5553,6650 5554,6649 5608,6649 ; 5500,6750 5521.63,6728.37 5608,6728.37 ; 5500,6850 5542.89,6807.11 5608,6807.11 ; 5500,6950 5520,6930 5520,6909 5576,6909 5576,6885.85 5608,6885.85 ; 5500,7050 5558,7050 5608,7000 5608,6964.59 ; 5500,7600 5563,7663 5608,7663 ; 5500,7700 5542,7742 5608,7742 ; 5500,7800 5544,7800 5564,7820 5608,7820 ; 5500,7900 5553,7900 5554,7899 5608,7899 ; 5500,8000 5521.63,7978.37 5608,7978.37 ; 5500,8100 5542.89,8057.11 5608,8057.11 ; 5500,8200 5520,8180 5520,8159 5576,8159 5576,8135.85 5608,8135.85 ; 5500,8300 5558,8300 5608,8250 5608,8214.59 ; 5500,8850 5563,8913 5608,8913 ; 5500,8950 5542,8992 5608,8992 ; 5500,9050 5544,9050 5564,9070 5608,9070 ; 5500,9150 5553,9150 5554,9149 5608,9149 ; 5500,9250 5521.63,9228.37 5608,9228.37 ; 5500,9350 5542.89,9307.11 5608,9307.11 ; 5500,9450 5520,9430 5520,9409 5576,9409 5576,9385.85 5608,9385.85 ; 5500,9550 5558,9550 5608,9500 5608,9464.59 ; 5500,10100 5563,10163 5608,10163 ; 5500,10200 5542,10242 5608,10242 ; 5500,10300 5544,10300 5564,10320 5608,10320 ; 5500,10400 5553,10400 5554,10399 5608,10399 ; 5500,10500 5521.63,10478.37 5608,10478.37 ; 5500,10600 5542.89,10557.11 5608,10557.11 ; 5500,10700 5520,10680 5520,10659 5576,10659 5576,10635.85 5608,10635.85 ; 5500,10800 5558,10800 5608,10750 5608,10714.59 ; 6191.34,163 6214,163 6277,100 6300,100 ; 6191.34,242 6258,242 6300,200 ; 6191.34,320 6280,320 6300,300 ; 6191.34,399 6299,399 6300,400 ; 6191.34,478.37 6278.37,478.37 6300,500 ; 6191.34,557.11 6257.11,557.11 6300,600 ; 6191.34,635.85 6240,635.85 6240,659 6279,659 6279,679 6300,700 ; 6191.34,714.59 6191,714.59 6191,750 6241,800 6300,800 ; 6191.34,1413 6214,1413 6277,1350 6300,1350 ; 6191.34,1492 6258,1492 6300,1450 ; 6191.34,1570 6280,1570 6300,1550 ; 6191.34,1649 6299,1649 6300,1650 ; 6191.34,1728.37 6278.37,1728.37 6300,1750 ; 6191.34,1807.11 6257.11,1807.11 6300,1850 ; 6191.34,1885.85 6240,1885.85 6240,1909 6279,1909 6279,1929 6300,1950 ; 6191.34,1964.59 6191,1964.59 6191,2000 6241,2050 6300,2050 ; 6191.34,2663 6214,2663 6277,2600 6300,2600 ; 6191.34,2742 6258,2742 6300,2700 ; 6191.34,2820 6280,2820 6300,2800 ; 6191.34,2899 6299,2899 6300,2900 ; 6191.34,2978.37 6278.37,2978.37 6300,3000 ; 6191.34,3057.11 6257.11,3057.11 6300,3100 ; 6191.34,3135.85 6240,3135.85 6240,3159 6279,3159 6279,3179 6300,3200 ; 6191.34,3214.59 6191,3214.59 6191,3250 6241,3300 6300,3300 ; 6191.34,3913 6214,3913 6277,3850 6300,3850 ; 6191.34,3992 6258,3992 6300,3950 ; 6191.34,4070 6280,4070 6300,4050 ; 6191.34,4149 6299,4149 6300,4150 ; 6191.34,4228.37 6278.37,4228.37 6300,4250 ; 6191.34,4307.11 6257.11,4307.11 6300,4350 ; 6191.34,4385.85 6240,4385.85 6240,4409 6279,4409 6279,4429 6300,4450 ; 6191.34,4464.59 6191,4464.59 6191,4500 6241,4550 6300,4550 ; 6191.34,5163 6214,5163 6277,5100 6300,5100 ; 6191.34,5242 6258,5242 6300,5200 ; 6191.34,5320 6280,5320 6300,5300 ; 6191.34,5399 6299,5399 6300,5400 ; 6191.34,5478.37 6278.37,5478.37 6300,5500 ; 6191.34,5557.11 6257.11,5557.11 6300,5600 ; 6191.34,5635.85 6240,5635.85 6240,5659 6279,5659 6279,5679 6300,5700 ; 6191.34,5714.59 6191,5714.59 6191,5750 6241,5800 6300,5800 ; 6191.34,6413 6214,6413 6277,6350 6300,6350 ; 6191.34,6492 6258,6492 6300,6450 ; 6191.34,6570 6280,6570 6300,6550 ; 6191.34,6649 6299,6649 6300,6650 ; 6191.34,6728.37 6278.37,6728.37 6300,6750 ; 6191.34,6807.11 6257.11,6807.11 6300,6850 ; 6191.34,6885.85 6240,6885.85 6240,6909 6279,6909 6279,6929 6300,6950 ; 6191.34,6964.59 6191,6964.59 6191,7000 6241,7050 6300,7050 ; 6191.34,7663 6214,7663 6277,7600 6300,7600 ; 6191.34,7742 6258,7742 6300,7700 ; 6191.34,7820 6280,7820 6300,7800 ; 6191.34,7899 6299,7899 6300,7900 ; 6191.34,7978.37 6278.37,7978.37 6300,8000 ; 6191.34,8057.11 6257.11,8057.11 6300,8100 ; 6191.34,8135.85 6240,8135.85 6240,8159 6279,8159 6279,8179 6300,8200 ; 6191.34,8214.59 6191,8214.59 6191,8250 6241,8300 6300,8300 ; 6191.34,8913 6214,8913 6277,8850 6300,8850 ; 6191.34,8992 6258,8992 6300,8950 ; 6191.34,9070 6280,9070 6300,9050 ; 6191.34,9149 6299,9149 6300,9150 ; 6191.34,9228.37 6278.37,9228.37 6300,9250 ; 6191.34,9307.11 6257.11,9307.11 6300,9350 ; 6191.34,9385.85 6240,9385.85 6240,9409 6279,9409 6279,9429 6300,9450 ; 6191.34,9464.59 6191,9464.59 6191,9500 6241,9550 6300,9550 ; 6191.34,10163 6214,10163 6277,10100 6300,10100 ; 6191.34,10242 6258,10242 6300,10200 ; 6191.34,10320 6280,10320 6300,10300 ; 6191.34,10399 6299,10399 6300,10400 ; 6191.34,10478.37 6278.37,10478.37 6300,10500 ; 6191.34,10557.11 6257.11,10557.11 6300,10600 ; 6191.34,10635.85 6240,10635.85 6240,10659 6279,10659 6279,10679 6300,10700 ; 6191.34,10714.59 6191,10714.59 6191,10750 6241,10800 6300,10800 ; 6850,100 6913,163 6958,163 ; 6850,200 6892,242 6958,242 ; 6850,300 6894,300 6914,320 6958,320 ; 6850,400 6903,400 6904,399 6958,399 ; 6850,500 6871.63,478.37 6958,478.37 ; 6850,600 6892.89,557.11 6958,557.11 ; 6850,700 6870,680 6870,659 6926,659 6926,635.85 6958,635.85 ; 6850,800 6908,800 6958,750 6958,714.59 ; 6850,1350 6913,1413 6958,1413 ; 6850,1450 6892,1492 6958,1492 ; 6850,1550 6894,1550 6914,1570 6958,1570 ; 6850,1650 6903,1650 6904,1649 6958,1649 ; 6850,1750 6871.63,1728.37 6958,1728.37 ; 6850,1850 6892.89,1807.11 6958,1807.11 ; 6850,1950 6870,1930 6870,1909 6926,1909 6926,1885.85 6958,1885.85 ; 6850,2050 6908,2050 6958,2000 6958,1964.59 ; 6850,2600 6913,2663 6958,2663 ; 6850,2700 6892,2742 6958,2742 ; 6850,2800 6894,2800 6914,2820 6958,2820 ; 6850,2900 6903,2900 6904,2899 6958,2899 ; 6850,3000 6871.63,2978.37 6958,2978.37 ; 6850,3100 6892.89,3057.11 6958,3057.11 ; 6850,3200 6870,3180 6870,3159 6926,3159 6926,3135.85 6958,3135.85 ; 6850,3300 6908,3300 6958,3250 6958,3214.59 ; 6850,3850 6913,3913 6958,3913 ; 6850,3950 6892,3992 6958,3992 ; 6850,4050 6894,4050 6914,4070 6958,4070 ; 6850,4150 6903,4150 6904,4149 6958,4149 ; 6850,4250 6871.63,4228.37 6958,4228.37 ; 6850,4350 6892.89,4307.11 6958,4307.11 ; 6850,4450 6870,4430 6870,4409 6926,4409 6926,4385.85 6958,4385.85 ; 6850,4550 6908,4550 6958,4500 6958,4464.59 ; 6850,5100 6913,5163 6958,5163 ; 6850,5200 6892,5242 6958,5242 ; 6850,5300 6894,5300 6914,5320 6958,5320 ; 6850,5400 6903,5400 6904,5399 6958,5399 ; 6850,5500 6871.63,5478.37 6958,5478.37 ; 6850,5600 6892.89,5557.11 6958,5557.11 ; 6850,5700 6870,5680 6870,5659 6926,5659 6926,5635.85 6958,5635.85 ; 6850,5800 6908,5800 6958,5750 6958,5714.59 ; 6850,6350 6913,6413 6958,6413 ; 6850,6450 6892,6492 6958,6492 ; 6850,6550 6894,6550 6914,6570 6958,6570 ; 6850,6650 6903,6650 6904,6649 6958,6649 ; 6850,6750 6871.63,6728.37 6958,6728.37 ; 6850,6850 6892.89,6807.11 6958,6807.11 ; 6850,6950 6870,6930 6870,6909 6926,6909 6926,6885.85 6958,6885.85 ; 6850,7050 6908,7050 6958,7000 6958,6964.59 ; 6850,7600 6913,7663 6958,7663 ; 6850,7700 6892,7742 6958,7742 ; 6850,7800 6894,7800 6914,7820 6958,7820 ; 6850,7900 6903,7900 6904,7899 6958,7899 ; 6850,8000 6871.63,7978.37 6958,7978.37 ; 6850,8100 6892.89,8057.11 6958,8057.11 ; 6850,8200 6870,8180 6870,8159 6926,8159 6926,8135.85 6958,8135.85 ; 6850,8300 6908,8300 6958,8250 6958,8214.59 ; 6850,8850 6913,8913 6958,8913 ; 6850,8950 6892,8992 6958,8992 ; 6850,9050 6894,9050 6914,9070 6958,9070 ; 6850,9150 6903,9150 6904,9149 6958,9149 ; 6850,9250 6871.63,9228.37 6958,9228.37 ; 6850,9350 6892.89,9307.11 6958,9307.11 ; 6850,9450 6870,9430 6870,9409 6926,9409 6926,9385.85 6958,9385.85 ; 6850,9550 6908,9550 6958,9500 6958,9464.59 ; 6850,10100 6913,10163 6958,10163 ; 6850,10200 6892,10242 6958,10242 ; 6850,10300 6894,10300 6914,10320 6958,10320 ; 6850,10400 6903,10400 6904,10399 6958,10399 ; 6850,10500 6871.63,10478.37 6958,10478.37 ; 6850,10600 6892.89,10557.11 6958,10557.11 ; 6850,10700 6870,10680 6870,10659 6926,10659 6926,10635.85 6958,10635.85 ; 6850,10800 6908,10800 6958,10750 6958,10714.59 ; 7541.34,163 7564,163 7627,100 7650,100 ; 7541.34,242 7608,242 7650,200 ; 7541.34,320 7630,320 7650,300 ; 7541.34,399 7649,399 7650,400 ; 7541.34,478.37 7628.37,478.37 7650,500 ; 7541.34,557.11 7607.11,557.11 7650,600 ; 7541.34,635.85 7590,635.85 7590,659 7629,659 7629,679 7650,700 ; 7541.34,714.59 7541,714.59 7541,750 7591,800 7650,800 ; 7541.34,1413 7564,1413 7627,1350 7650,1350 ; 7541.34,1492 7608,1492 7650,1450 ; 7541.34,1570 7630,1570 7650,1550 ; 7541.34,1649 7649,1649 7650,1650 ; 7541.34,1728.37 7628.37,1728.37 7650,1750 ; 7541.34,1807.11 7607.11,1807.11 7650,1850 ; 7541.34,1885.85 7590,1885.85 7590,1909 7629,1909 7629,1929 7650,1950 ; 7541.34,1964.59 7541,1964.59 7541,2000 7591,2050 7650,2050 ; 7541.34,2663 7564,2663 7627,2600 7650,2600 ; 7541.34,2742 7608,2742 7650,2700 ; 7541.34,2820 7630,2820 7650,2800 ; 7541.34,2899 7649,2899 7650,2900 ; 7541.34,2978.37 7628.37,2978.37 7650,3000 ; 7541.34,3057.11 7607.11,3057.11 7650,3100 ; 7541.34,3135.85 7590,3135.85 7590,3159 7629,3159 7629,3179 7650,3200 ; 7541.34,3214.59 7541,3214.59 7541,3250 7591,3300 7650,3300 ; 7541.34,3913 7564,3913 7627,3850 7650,3850 ; 7541.34,3992 7608,3992 7650,3950 ; 7541.34,4070 7630,4070 7650,4050 ; 7541.34,4149 7649,4149 7650,4150 ; 7541.34,4228.37 7628.37,4228.37 7650,4250 ; 7541.34,4307.11 7607.11,4307.11 7650,4350 ; 7541.34,4385.85 7590,4385.85 7590,4409 7629,4409 7629,4429 7650,4450 ; 7541.34,4464.59 7541,4464.59 7541,4500 7591,4550 7650,4550 ; 7541.34,5163 7564,5163 7627,5100 7650,5100 ; 7541.34,5242 7608,5242 7650,5200 ; 7541.34,5320 7630,5320 7650,5300 ; 7541.34,5399 7649,5399 7650,5400 ; 7541.34,5478.37 7628.37,5478.37 7650,5500 ; 7541.34,5557.11 7607.11,5557.11 7650,5600 ; 7541.34,5635.85 7590,5635.85 7590,5659 7629,5659 7629,5679 7650,5700 ; 7541.34,5714.59 7541,5714.59 7541,5750 7591,5800 7650,5800 ; 7541.34,6413 7564,6413 7627,6350 7650,6350 ; 7541.34,6492 7608,6492 7650,6450 ; 7541.34,6570 7630,6570 7650,6550 ; 7541.34,6649 7649,6649 7650,6650 ; 7541.34,6728.37 7628.37,6728.37 7650,6750 ; 7541.34,6807.11 7607.11,6807.11 7650,6850 ; 7541.34,6885.85 7590,6885.85 7590,6909 7629,6909 7629,6929 7650,6950 ; 7541.34,6964.59 7541,6964.59 7541,7000 7591,7050 7650,7050 ; 7541.34,7663 7564,7663 7627,7600 7650,7600 ; 7541.34,7742 7608,7742 7650,7700 ; 7541.34,7820 7630,7820 7650,7800 ; 7541.34,7899 7649,7899 7650,7900 ; 7541.34,7978.37 7628.37,7978.37 7650,8000 ; 7541.34,8057.11 7607.11,8057.11 7650,8100 ; 7541.34,8135.85 7590,8135.85 7590,8159 7629,8159 7629,8179 7650,8200 ; 7541.34,8214.59 7541,8214.59 7541,8250 7591,8300 7650,8300 ; 7541.34,8913 7564,8913 7627,8850 7650,8850 ; 7541.34,8992 7608,8992 7650,8950 ; 7541.34,9070 7630,9070 7650,9050 ; 7541.34,9149 7649,9149 7650,9150 ; 7541.34,9228.37 7628.37,9228.37 7650,9250 ; 7541.34,9307.11 7607.11,9307.11 7650,9350 ; 7541.34,9385.85 7590,9385.85 7590,9409 7629,9409 7629,9429 7650,9450 ; 7541.34,9464.59 7541,9464.59 7541,9500 7591,9550 7650,9550 ; 7541.34,10163 7564,10163 7627,10100 7650,10100 ; 7541.34,10242 7608,10242 7650,10200 ; 7541.34,10320 7630,10320 7650,10300 ; 7541.34,10399 7649,10399 7650,10400 ; 7541.34,10478.37 7628.37,10478.37 7650,10500 ; 7541.34,10557.11 7607.11,10557.11 7650,10600 ; 7541.34,10635.85 7590,10635.85 7590,10659 7629,10659 7629,10679 7650,10700 ; 7541.34,10714.59 7541,10714.59 7541,10750 7591,10800 7650,10800